# Altium PCB 2019.07.15.master.PcbDoc (part 3 of 7)
Units mm, origin at the board's own origin, x right, y up, seen from the top; angles counter-clockwise.
Board outline 160 x 120 mm, 6 copper layers (Top Signal, Top GND, Inner PWR, Inner Signal, Bottom GND, Bottom Signal), stack 1.571 mm thick; 408 components, 388 nets, 1700 pads, 1310 vias.
Unrouted connection lines stored in the file: 2.
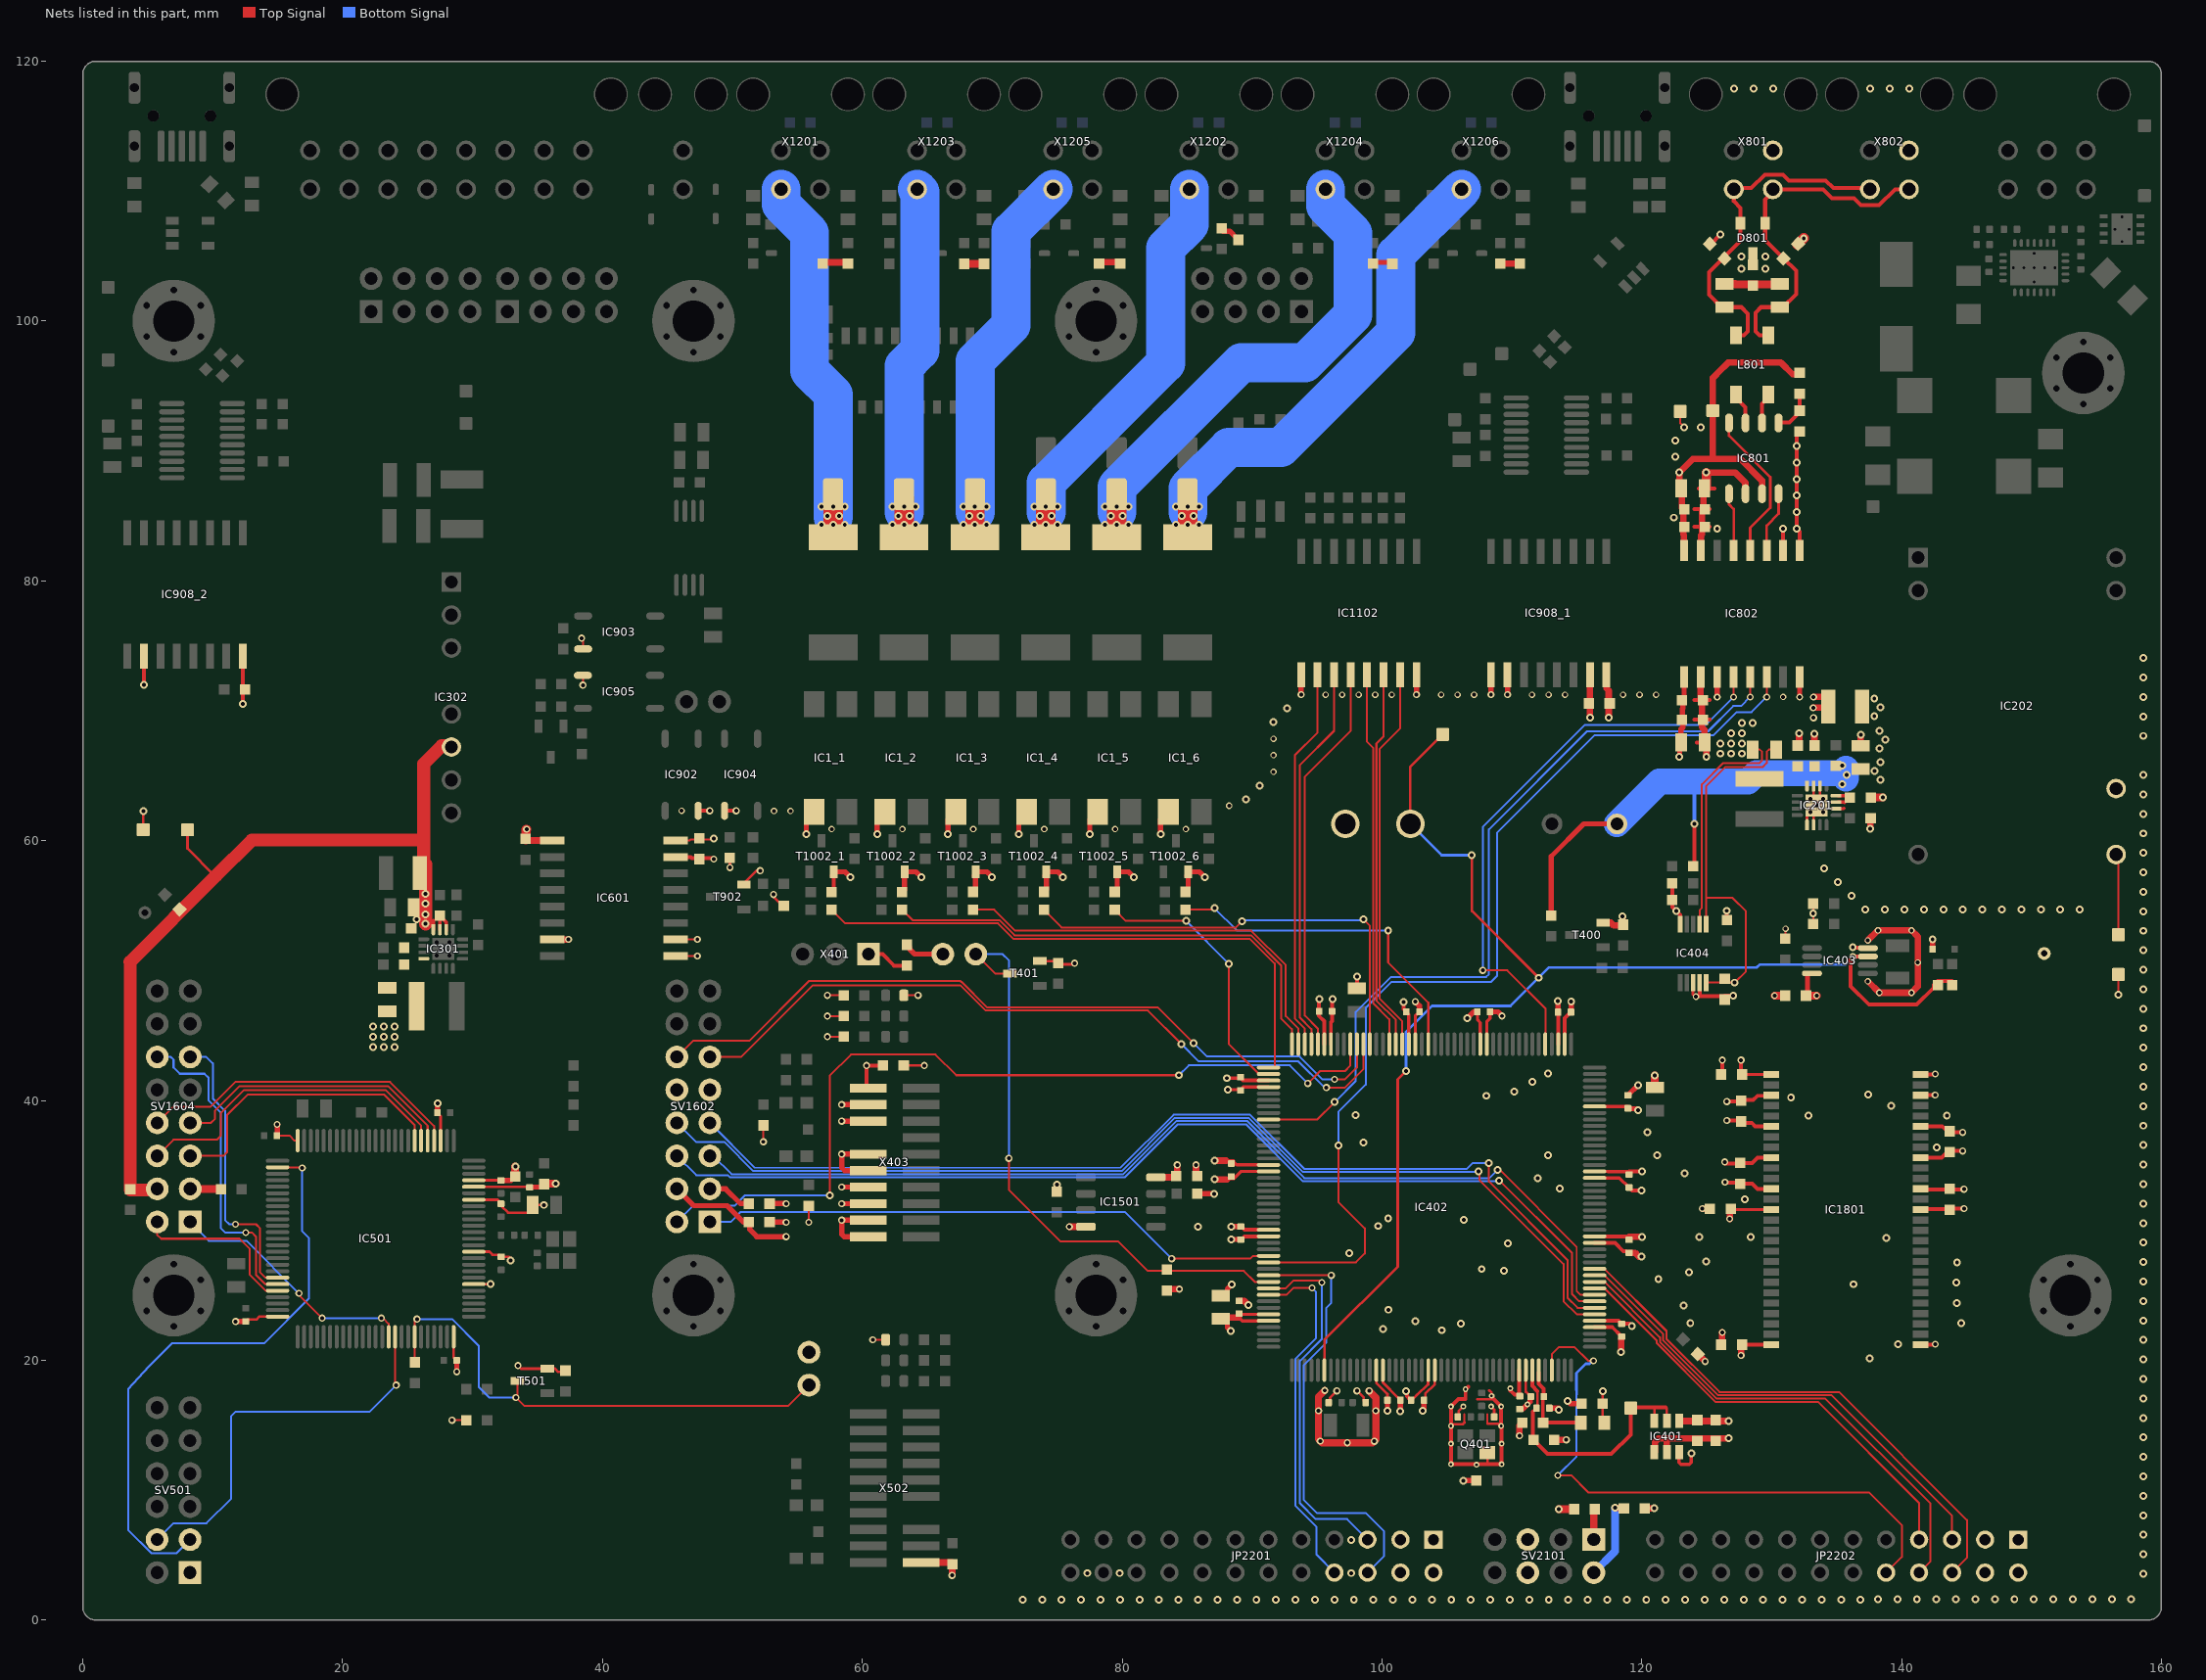
[diagram p7: the nets of this part, all layers, seen from the top]

## Via types
v1: diameter 0.6, hole 0.3, Top Signal to Bottom Signal, 988 vias
v2: diameter 0.55, hole 0.3, Top Signal to Bottom Signal, tented both sides, 231 vias
v3: diameter 0.5, hole 0.3, Top Signal to Bottom Signal, tented both sides, 42 vias
v4: diameter 0.45, hole 0.2, Top Signal to Bottom Signal, 31 vias
v5: diameter 0.55, hole 0.3, Top Signal to Bottom Signal, 12 vias
v6: diameter 0.6, hole 0.3, Top Signal to Bottom Signal, tented both sides, 5 vias
v7: diameter 0.5, hole 0.3, Top Signal to Bottom Signal, 1 vias

## Nets (pads, with @x,y where several pads share a name; then routed paths per layer and width w, separated by ;. In a path a pad name is that pad's centre, name@x,y a point inside that pad or via, vN(x,y) a via of type N, cw(c..) or ccw(c..) an arc to the next point about the centre after c; other vN are vias at no path point)
+3.3V_0: C401.1 C403.1 C404.1 C405.1 C406.1 C407.1 C408.1 C409.1 C410.1 C412.1 C413.1 C415.1 C416.1 C417.1 C418.1 C419.1 C420.1 C421.1 C430.1 C431.1 C435.1 C601.2 C805.2 C806.2 C808.1 C907_1.1 C1106.1 C1501.2 C1601.1 C1801.1 C1802.1 C1803.1 C1804.1 C1805.1 C1806.1 C1807.1 C2101.2 D400.1 IC1_1.1 IC1_2.1 IC1_3.1 IC1_4.1 IC1_5.1 IC1_6.1 IC401.3 IC401.4 IC402.15 IC402.23 IC402.36 IC402.49 IC402.62 IC402.72 IC402.82 IC402.91 IC402.103 IC402.114 IC402.127 IC402.136 IC402.149 IC402.159 IC402.171 IC402.172 IC403.8 IC404.2 IC601.10 IC601.16 IC802.1 IC902.4 IC904.1 IC908_1.10 IC908_1.16 IC1102.16 IC1501.8 IC1801.1 IC1801.3 IC1801.9 IC1801.14 IC1801.27 IC1801.43 IC1801.49 JP2201.2 JP2201.4 JP2202.2 JP2202.4 L401.1 LED201.2 R202.1 R402.2 R405.2 R410.2 R414.2 R415.2 R1501.2 R1502.2 SV1602.3 SV2101.2 T401.2 TPi3.3v0.1 X402.1 X403.1 | length 173.6
  Top Signal w0.15: IC404.2@124.475,53.583 124.475,54.676 124.626,54.828 124.626,64.327 126.263,65.964 129.057,65.964 129.261,66.167 129.261,66.835 129.083,67.013 R202.1@128.544,67.013 ; R410.2@131.041,52.447 131.071,52.478 v3(131.071,53.216) ; C431.1@132.646,48.061 C431.1@132.758,48.172 ; IC403.8@132.758,49.641 132.896,49.779 IC403.8@133.102,49.779 ; R415.2@133.205,53.573 133.207,53.576 R414.2@133.207,55.154 ; v1(156.693,48.133) TPi3.3v0.1@156.693,49.697
  Top Signal w0.152: IC601.10@45.628,52.392 v2(47.307,52.392) ; IC601.16@45.628,60.012 46.705,60.012 46.795,60.102 48.509,60.102 v1(48.578,60.17) ; v2(55.88,30.624) R405.2@55.88,31.838 ; LED201.2@63.25,48.086 v2(64.294,48.086)
  Top Signal w0.2: IC402.15@100.072,19.234 100.092,19.215 100.092,18.275 101.267,17.099 101.275,17.099 101.425,16.949 C409.1@101.425,16.924 C409.1@101.422,16.921 ; C410.1@103.333,16.835 103.333,17.409 104.072,18.148 IC402.23@104.072,19.234 ; C415.1@113.554,46.796 C415.1@113.572,46.778 ; v1@116.992,17.628 116.98,17.615 C404.1@116.98,16.662 116.98,15.1 L401.1@117.018,15.062
  Top Signal w0.203: T401.2@73.682,50.726 74.782,50.726 75.032,50.476 76.249,50.476 v2(76.342,50.569)
  Top Signal w0.25: 88.011,33.917 88.111,33.917 ; 88.111,33.809 88.299,33.997 88.604,33.997 89.141,34.534 IC402.149@91.273,34.534 ; v1(88.134,40.822) 89.125,40.822 89.337,41.034 IC402.136@91.273,41.034 ; 88.789,23.329 88.994,23.534 IC402.171@91.273,23.534 ; 88.99,23.28 89.236,23.034 IC402.172@91.273,23.034 ; C417.1@101.887,46.817 102.072,46.632 IC402.114@102.072,44.334 ; C416.1@107.225,46.739 107.362,46.602 107.362,46.202 107.573,45.992 IC402.103@107.573,44.334 ; IC402.72@116.372,34.534 117.374,34.534 117.387,34.521 C413.1@119.024,34.521 ; IC402.82@116.372,39.534 C406.1@118.941,39.534 ; IC401.3@122.879,12.932 122.879,12.132 123.025,11.985 123.66,11.985 123.806,12.132 123.806,12.799 v1(123.82,12.813) v1@123.834,12.827 ; C1803.1@126.788,31.596 126.796,31.596 IC1801.14@129.966,31.596 ; C1805.1@127.645,41.996 IC1801.1@129.966,41.996
  Top Signal w0.3: C421.1@89.138,29.291 89.163,29.291 89.406,29.534 IC402.159@91.273,29.534 ; v1@95.165,47.801 C418.1@95.165,46.865 95.165,46.502 95.572,46.094 IC402.127@95.572,44.334 ; v1@101.662,47.59 101.662,47.042 C417.1@101.887,46.817 ; v4(109.889,17.825) 109.889,17.67 110.211,17.348 110.499,17.348 C401.1@110.572,17.275 ; C401.1@110.572,17.221 C401.1@110.572,17.275 ; IC402.36@110.572,19.234 C401.1@110.572,17.275 ; C401.1@110.612,17.236 C401.1@110.572,17.275 ; IC402.91@113.572,44.334 C415.1@113.572,46.778 ; IC402.49@116.372,23.034 118.225,23.034 C405.1@118.452,22.807 119.066,22.807 v1(119.248,22.625) ; IC402.62@116.372,29.534 v1@120.017,29.534 ; C413.1@119.024,34.521 v1(120.017,34.521) ; v2(126.386,35.268) 126.386,35.186 126.437,35.135 C1802.1@127.481,35.135 ; v2(126.549,39.909) C1801.1@127.66,39.909 ; v2(126.771,30.886) v2@126.796,30.861 ; C1803.1@126.78,31.644 C1803.1@126.796,31.628 ; C1802.1@127.445,35.099 C1802.1@127.481,35.135 ; C1802.1@127.575,35.163 127.548,35.135 C1802.1@127.481,35.135 ; C1804.1@127.645,21.196 IC1801.27@129.966,21.196 ; C1805.1@127.645,41.996 v2(127.645,43.107) ; C1801.1@127.742,39.899 127.87,40.027 128.585,40.027 128.916,40.357 129.928,40.357 IC1801.3@129.966,40.396 ; IC1801.9@129.966,35.596 128.912,35.596 128.5,35.184 127.529,35.184 C1802.1@127.481,35.135 ; IC1801.43@141.466,33.196 141.507,33.155 143.442,33.155 C1806.1@143.482,33.196 ; IC1801.49@141.466,37.996 143.142,37.996 143.595,37.542 143.642,37.542 143.645,37.544 144.701,37.544 v2(144.704,37.542) ; C1806.1@143.711,33.114 143.736,33.139 144.781,33.139 v2(144.805,33.164)
  Top Signal w0.305: IC902.4@47.371,62.298 48.192,62.298 v2@48.26,62.23 ; IC904.1@49.403,62.298 v2(50.292,62.298) ; X403.1@60.465,40.943 60.325,41.082 v2(60.325,42.689) C430.1@61.589,42.689 C430.1@61.664,42.689
  Top Signal w0.4: v1(55.686,60.503) 55.686,61.62 IC1_1.1@56.286,62.22 ; v1(61.143,60.503) 61.143,61.62 IC1_2.1@61.743,62.22 ; C1106.1@63.449,51.981 63.649,51.781 63.649,51.645 64.033,51.261 X402.1@66.199,51.261 ; v1(66.599,60.503) 66.599,61.62 IC1_3.1@67.199,62.22 ; v1(72.055,60.503) 72.055,61.62 IC1_4.1@72.655,62.22 ; R1502.2@74.981,32.882 R1502.2@74.981,32.982 v1(74.981,33.534) ; v1(77.511,60.503) 77.511,61.62 IC1_5.1@78.111,62.22 ; v1(82.967,60.503) 82.967,61.62 IC1_6.1@83.567,62.22 ; R1501.2@85.69,32.812 R1501.2@85.79,32.812 v1(87.071,32.812) ; C435.1@87.605,23.179 87.855,23.179 88.105,22.929 88.105,22.509 v1(88.363,22.251) ; v1(88.404,29.291) C421.1@89.138,29.291 ; v1(101.422,16.078) C409.1@101.422,16.921 ; v2(102.667,71.234) IC1102.16@102.667,72.769 ; v1(103.142,16.121) 103.142,16.175 103.243,16.276 C410.1@103.243,16.916 ; v1(106.573,46.328) 107.061,46.817 C416.1@107.329,46.817 ; v2(109.666,71.234) IC908_1.10@109.666,72.769 ; C415.1@113.554,46.796 v1(113.554,47.659) ; C406.1@118.941,39.393 118.967,39.367 119.515,39.367 119.71,39.172 v1(119.71,39.243) ; v1(122.902,66.448) 122.927,66.473 122.927,67.564 123.029,67.666 123.029,68.58 123.176,68.728 123.176,69.304 123.129,69.352 123.129,70.141 123.176,70.188 C805.2@123.176,70.815 ; C805.2@123.266,71.059 IC802.1@123.266,72.593 ; C431.1@132.758,48.172 IC403.8@132.758,49.641 ; D400.1@142.388,51.647 v1(142.388,52.406)
  Top Signal w0.406: SV1602.3@48.27,33.19 49.487,33.19 50.624,32.053 C1601.1@51.22,32.053
  Top Signal w0.5: IC1501.8@82.61,34.082 C1501.2@84.246,34.082 ; C1501.2@84.246,34.167 v2(84.246,35.034) ; v1(87.114,33.917) 88.011,33.917 ; C435.1@87.383,23.28 88.99,23.28 ; IC908_1.16@117.286,72.769 117.286,71.717 117.463,71.54 v1(117.463,69.457) ; v1(117.935,8.631) 117.937,8.63 118.671,8.63 C2101.2@118.704,8.597 ; C412.1@119.024,29.495 v1(120.017,29.495) ; IC401.4@122.879,15.332 122.89,15.32 v1(126.676,15.32) ; v2@126.796,30.861 126.796,31.596 C1803.1@126.796,31.628 ; v2(127.645,20.36) C1804.1@127.645,21.196
  Top Signal w0.6: C431.1@132.646,48.061 v3(133.463,48.061)
  Bottom Signal w0.5: v1@117.935,8.593 117.955,8.612 v1(117.935,8.631)
  Bottom Signal w0.61: SV2101.2@116.31,3.16 SV2101.2@116.31,3.65 116.31,3.656 117.935,5.281 v1@117.935,8.593
  other v1: 116.992,17.602 101.662,47.59 95.171,47.801 133.193,54.391 126.056,66.7 126.881,66.7 127.707,66.7 126.056,67.488 126.881,67.488 127.707,67.488 126.881,68.275 127.707,68.275 127.707,69.063 128.532,69.063
  other v2: 48.26,62.298
+3.3V_0_IN: C205.1 C206.1 C432.1 IC201.16 IC404.1 IC404.10 L201.2 R202.2 | length 29.4
  Top Signal w0.15: IC404.10@124.962,49.065 126.39,49.065 v1(127.143,49.065) 128.023,49.945 128.023,54.553 126.975,55.601 125,55.601 124.975,55.626 ; IC404.1@124.975,53.583 124.975,55.626 ; R202.2@130.344,67.263 R202.2@130.344,67.013 129.791,67.013 129.616,66.838 129.616,65.983 129.292,65.659 126.424,65.659 124.975,64.21 124.975,55.626
+3.3V_1: C502.1 C503.1 C504.1 C506.1 C507.1 C508.1 C513.1 C519.1 C520.1 C521.1 C522.1 C523.1 C602.1 C907_2.1 C1603.1 IC501.6 IC501.11 IC501.19 IC501.21 IC501.22 IC501.28 IC501.50 IC501.75 IC501.100 IC601.1 IC601.7 IC903.4 IC905.1 IC908_2.10 IC908_2.16 LED301.2 R302.1 R504.2 R505.2 SV501.1 SV1604.3 T501.2 TP_V3.3_1.1 X501.1 X502.1 | length 58
  Top Signal w0.152: v2(14.961,38.157) v2@15.149,38.157 ; C503.1@14.964,37.291 15.903,37.291 16.291,36.904 IC501.50@16.543,36.904 ; v2(28.416,15.384) R505.2@29.471,15.384 ; v2(38.397,75.585) 38.511,75.471 IC903.4@38.511,74.758 ; v2(38.494,71.974) 38.497,71.978 IC905.1@38.497,72.722 ; v2(60.801,21.575) LED301.2@61.75,21.575
  Top Signal w0.2: TP_V3.3_1.1@4.65,60.833 v1(4.65,62.255) ; C507.1@12.622,22.979 12.622,23.085 12.672,23.135 13.355,23.135 13.574,23.354 IC501.75@14.993,23.354 ; C506.1@27.287,39.062 27.287,39.037 27.542,38.782 IC501.28@27.542,36.904 ; IC501.6@30.092,25.854 31.358,25.854 v1@31.38,25.832 ; IC501.11@30.092,28.354 31.3,28.354 31.531,28.122 32.041,28.122 C504.1@32.206,27.957 32.791,27.957 v1@32.944,27.805 ; IC501.19@30.092,32.354 31.933,32.354 32.226,32.06 32.226,31.875 32.747,31.354 34.447,31.354 34.635,31.541 C519.1@34.635,31.953 ; IC501.21@30.092,33.354 C520.1@34.42,33.354 ; IC501.22@30.092,33.854 32.175,33.854 C522.1@32.186,33.843 ; v1(31.377,25.854) v1@31.383,25.854 ; v1(32.944,27.686) v1@32.944,27.805 ; v1@32.944,27.88 v1@32.944,27.805 ; C521.1@32.975,33.843 C521.1@33.284,34.152 ; v1@33.056,27.717 33.031,27.717 v1@32.944,27.805 ; v1@33.284,34.9 v1(33.296,34.912) v1@33.309,34.925 ; C519.1@34.635,31.979 C519.1@34.635,31.953 ; C523.1@35.238,33.333 C523.1@35.484,33.579 ; v1@35.509,31.953 v1(35.494,31.953) C519.1@34.635,31.953
  Top Signal w0.203: IC501.100@28.542,21.804 28.542,20.226 C508.1@28.781,19.988 ; v2(33.496,19.591) 33.737,19.35 T501.2@35.758,19.35 36.346,19.35 36.596,19.1 R504.2@37.148,19.1
  Top Signal w0.3: v1(4.699,71.999) IC908_2.10@4.699,74.193 ; v1(12.319,70.51) IC908_2.16@12.319,74.193
  Top Signal w0.4: v2@11.762,22.979 C507.1@12.622,22.979 ; C503.1@14.964,37.291 v2@14.964,38.154 ; C506.1@27.287,39.062 27.287,39.771 v1(27.303,39.787) ; v2(28.781,19.111) C508.1@28.781,19.988 ; C522.1@32.186,33.843 C521.1@32.975,33.843 ; C520.1@34.392,33.333 C523.1@35.238,33.333
  Top Signal w0.5: C602.1@34.087,60.059 34.135,60.012 IC601.1@36.128,60.012 ; IC601.7@36.128,52.392 v2(37.389,52.392) ; X502.1@65.115,4.43 65.124,4.421 66.914,4.421 66.954,4.38 66.92,4.345 66.92,3.437 v2(66.911,3.428)
  Top Signal w0.6: C521.1@33.284,34.152 v1@33.284,34.9 ; C523.1@35.484,33.579 v1(36.384,33.579)
  Top Signal w0.61: SV1604.3@8.27,33.19 8.296,33.164 C1603.1@10.63,33.164 C1603.1@10.705,33.164
  Top Signal w0.7: C602.1@34.087,60.059 34.098,60.059 34.123,60.084 34.123,60.849 v2(34.158,60.884)
  other v1: 22.339,44.12 23.165,44.12 23.99,44.12 22.339,44.907 23.165,44.907 23.99,44.907 22.339,45.695 23.165,45.695 23.99,45.695
  other v2: 11.761,22.98
+3.3V_1_IN: C305.1 C306.1 IC301.16 L301.2 R302.2
+5.0V_0: C210.1 C213.1 C214.2 C1602.1 C2102.1 IC201.10 IC201.11 IC201.12 IC202.14 LS401.1 R204.2 R400.2 R416.2 SV1602.4 SV2101.1 TPi5.0v0.1 | length 68.9
  Top Signal w0.15: TPi5.0v0.1@156.693,52.759 IC202.14@156.693,58.75
  Top Signal w0.2: IC202.14@156.515,58.928 IC202.14@156.693,58.75
  Top Signal w0.25: IC201.10@135.096,62.463 135.099,62.465 135.539,62.465 135.571,62.496 ; IC201.11@135.096,62.963 135.571,62.963 135.611,62.923 ; IC201.12@135.096,63.463 135.611,63.463
  Top Signal w0.3: v1@124.031,61.29 124.046,61.276 R400.2@124.046,58.138
  Top Signal w0.4: R416.2@113.031,54.13 113.031,58.788 115.533,61.29 LS401.1@118.096,61.29
  Top Signal w0.406: SV1602.4@45.73,33.19 47.026,31.894 49.597,31.894 50.867,30.624 51.345,30.624 51.345,30.047 51.88,29.513 v2(54.134,29.513)
  Top Signal w0.6: SV2101.1@116.31,6.19 C2102.1@116.31,8.418
  Bottom Signal w0.3: v1(124.038,61.283) 124.038,64.139 125.278,65.378 135.842,65.378
  Bottom Signal w2: LS401.1@118.096,61.29 121.35,64.544 128.18,64.544 128.811,65.176 135.275,65.176 ; v1@135.71,64.798 135.71,65.549
  other v1: 135.433,64.338 138.373,64.681 135.788,65.058 137.918,65.354 135.433,65.786 138.373,66.027 138.304,67.107 138.759,67.78 138.304,68.453 137.903,69.584 138.359,70.256 137.903,70.929
+5.0V_1: C303.2 C304.1 C310.1 C313.1 C1604.1 IC301.10 IC301.11 IC301.12 IC302.6 R304.2 SV1604.4 TP_V5.0_1.1 | length 69.4
  Top Signal w0.2: TP_V5.0_1.1@8.059,60.833 8.059,59.399 10.143,57.315 10.274,57.315 ; 26.983,53.827 26.985,53.825 ; C313.1@27.483,54.216 C313.1@27.485,54.215
  Top Signal w0.275: IC301.12@26.985,53.131 IC301.12@26.985,53.281 26.985,53.825 ; IC301.11@27.485,53.131 IC301.11@27.485,53.281 27.485,54.215 27.985,53.715 IC301.10@27.985,53.281 IC301.10@27.985,53.131 IC301.10@27.985,53.056
  Top Signal w1: 3.632,50.673 3.651,50.692 ; C1604.1@3.651,33.095 5.575,33.095 5.7,33.22 SV1604.4@5.73,33.19 ; C1604.1@3.651,33.22 3.651,50.692 ; C303.2@26.243,57.607 26.243,60.046 ; IC302.6@28.4,67.3 28.4,67.295 27.62,67.295 26.243,65.918 26.243,60.046 ; 3.651,50.692 10.274,57.315 13.005,60.046 26.243,60.046
  Top Signal w1.016: v1(26.385,53.602) v1(26.385,54.327) v1(26.385,55.143) v1(26.385,55.912) C303.2@26.385,58.171
  other v1: 25.703,53.929
+Vbat_0: BT400.1 IC402.6 IC403.3 R411.2 R413.2 TPvBat0.1 | length 103.4
  Top Signal w0.2: IC402.6@95.572,19.234 95.572,21.557 101.219,27.203 101.219,41.626 v1(101.854,42.261) ; BT400.1@102.19,61.29 102.19,65.691 TPvBat0.1@104.678,68.18 ; v1@106.938,58.876 106.938,54.567 v1(112.065,49.44)
  Top Signal w0.3: IC403.3@137.401,51.079 136.296,51.079 136.064,50.847 136.064,48.797 137.49,47.371 141.173,47.371 142.463,48.661 142.463,48.882 142.767,49.185 143.863,49.185 R413.2@143.891,49.157
  Bottom Signal w0.2: v1(101.854,42.261) 101.854,45.278 103.849,47.274 109.896,47.274 112.863,50.241 128.859,50.241 129.088,50.47 135.687,50.47 136.246,51.029 v1(136.246,51.054) ; BT400.1@102.19,61.29 104.603,58.877 v1(106.917,58.877)
+Vdda_0: C411.1 C424.1 IC402.39 L401.2 | length 7.2
  Top Signal w0.152: IC402.39@112.073,19.03 IC402.39@112.076,19.034
  Top Signal w0.2: IC402.39@112.073,19.03 IC402.39@112.073,19.234 ; C424.1@112.37,15.215 C424.1@112.395,15.24 ; C411.1@112.395,17.128 C411.1@112.446,17.178 ; C411.1@112.446,17.17 C411.1@112.446,17.178 ; C411.1@112.463,17.196 C411.1@112.446,17.178 ; L401.2@115.305,15.189 L401.2@115.316,15.189
  Top Signal w0.25: C424.1@112.395,15.24 C411.1@112.395,17.128
  Top Signal w0.3: IC402.39@112.073,19.03 112.073,18.179 112.446,17.805 C411.1@112.446,17.178 ; C424.1@112.408,15.189 L401.2@115.305,15.189
+Vref_0: C422.1 C423.1 IC401.5 IC401.6 IC402.38 TPvRef0.1 | length 21.1
  Top Signal w0.2: C422.1@111.725,16.132 111.745,16.132 111.895,16.282 C422.1@111.895,16.307 ; C422.1@111.963,16.332 111.963,17.628 ; 120.953,16.383 120.979,16.358 ; IC401.6@120.979,15.332 120.979,16.358 ; 120.979,16.383 120.979,16.358 ; 120.98,16.358 120.979,16.358 ; 121.844,16.383 121.929,16.298 IC401.5@121.929,15.332
  Top Signal w0.25: 111.608,16.015 C422.1@111.725,16.132
  Top Signal w0.3: IC402.38@111.572,19.234 111.572,18.018 111.963,17.628 ; C423.1@111.608,13.868 111.608,16.015 ; C423.1@111.671,13.868 112.763,12.776 117.653,12.776 119.151,14.275 TPvRef0.1@119.151,16.317 ; TPvRef0.1@119.156,16.383 120.953,16.383 ; 120.979,16.383 121.844,16.383
ADC_MCU_0_CH_0: IC402.54 JP2202.7 | length 34.8
  Top Signal w0.152: IC402.54@116.372,25.534 117.122,25.534 121.153,21.503 121.153,21.313 125.669,16.796 133.572,16.796 141.352,9.016 JP2202.7@141.352,6.19
ADC_MCU_0_CH_1: IC402.55 JP2202.8 | length 38.8
  Top Signal w0.15: IC402.55@116.372,26.034 117.122,26.034 121.404,21.752 121.404,21.417 125.773,17.047 134.133,17.047 142.227,8.954 142.227,4.525 JP2202.8@141.352,3.65
ADC_MCU_0_CH_2: IC402.56 JP2202.5 | length 37.3
  Top Signal w0.15: IC402.56@116.372,26.534 117.122,26.534 121.654,22.002 121.654,21.52 125.877,17.297 134.614,17.297 143.892,8.02 143.892,6.298 JP2202.5@144,6.19
ADC_MCU_0_CH_3: IC402.57 JP2202.6 | length 41.6
  Top Signal w0.15: IC402.57@116.372,27.034 117.122,27.034 121.904,22.252 121.904,21.624 125.981,17.547 135.183,17.547 145.034,7.696 145.034,4.792 JP2202.6@143.892,3.65
ADC_MCU_0_CH_4: IC402.41 JP2202.10 | length 47.5
  Top Signal w0.152: IC402.41@113.073,19.234 113.073,20.473 113.598,20.999 114.837,20.999 115.887,19.95 v5(116.276,19.95) ; v2(113.543,11.137) 114.567,11.137 115.875,9.83 137.49,9.83 140.017,7.302 140.017,4.856 JP2202.10@138.812,3.65 JP2202.10@138.81,3.648
  Bottom Signal w0.152: v2@113.538,11.137 114.981,12.581 114.981,17.37
  Bottom Signal w0.2: 114.981,17.37 114.981,17.707 114.969,17.719 114.969,19.008 115.69,19.73 115.984,19.73 116.204,19.95 v5(116.276,19.95)
BMS-INTERFACE_0_GPIO_0: IC402.121 SV1602.11 | length 58.6
  Top Signal w0.152: SV1602.11@48.27,43.35 50.667,43.35 56.187,48.87 67.543,48.87 69.489,46.924 81.981,46.924 v1(84.571,44.334) ; v2(95.726,40.991) 97.155,40.991 98.573,42.409 IC402.121@98.573,44.534
  Bottom Signal w0.152: v1(84.571,44.334) 85.874,43.031 93.528,43.031 95.567,40.991 v2(95.726,40.991)
BMS-INTERFACE_0_GPIO_1: IC402.122 SV1602.12 | length 60.3
  Top Signal w0.152: SV1602.12@45.73,43.35 46.974,44.594 51.313,44.594 55.919,49.2 67.531,49.2 67.609,49.122 67.647,49.122 69.593,47.176 82.725,47.176 v1(85.505,44.396) ; v2(96.361,41.626) 97.155,41.626 98.072,42.544 IC402.122@98.072,44.534
  Bottom Signal w0.152: v1(85.505,44.396) 86.527,43.374 93.661,43.374 95.409,41.626 v2(96.361,41.626)
BMS-INTERFACE_0_GPIO_2: IC402.123 SV1602.2 | length 66.5
  Top Signal w0.152: v1(57.489,32.688) 57.489,41.893 59.131,43.536 65.634,43.536 67.229,41.94 v1(84.368,41.94) ; v2(94.297,41.309) 95.25,42.261 97.155,42.261 97.573,42.679 IC402.123@97.573,44.534
  Bottom Signal w0.152: SV1602.2@45.73,30.65 46.974,31.894 50.165,31.894 50.959,32.688 v1(57.489,32.688) ; v1@84.374,41.94 85.13,42.697 92.91,42.697 v2(94.297,41.309)
BMS-INTERFACE_0_GPIO_3: IC402.162 SV1602.1 | length 44.7
  Top Signal w0.152: v2(83.821,27.815) 89.861,27.815 90.079,28.034 IC402.162@91.072,28.034
  Bottom Signal w0.152: SV1602.1@48.27,30.65 49.874,30.65 50.641,31.418 80.218,31.418 83.82,27.815 v2(83.821,27.815)
BMS-INTERFACE_0_SPI_CS: IC402.50 SV1602.8 | length 82.3
  Top Signal w0.15: v1(107.445,34.521) 107.362,34.521 107.495,34.388 107.495,33.893 113.987,27.4 113.987,24.537 114.991,23.534 IC402.50@116.372,23.534
  Bottom Signal w0.15: SV1602.8@45.73,38.27 47.22,36.78 49.406,36.78 51.618,34.568 79.981,34.568 84.065,38.652 89.751,38.652 93.914,34.489 107.414,34.489 v1(107.445,34.521)
BMS-INTERFACE_0_SPI_MISO: IC402.52 SV1602.6 | length 80.6
  Top Signal w0.15: v1(109.015,33.809) 109.015,33.873 114.634,28.254 114.634,25.084 115.184,24.534 IC402.52@116.372,24.534
  Bottom Signal w0.15: SV1602.6@45.73,35.73 47.22,34.24 49.656,34.24 49.827,34.068 80.189,34.068 84.272,38.152 89.544,38.152 93.927,33.769 108.975,33.769 v1(109.015,33.809)
BMS-INTERFACE_0_SPI_MOSI: IC402.53 SV1602.5 | length 78.6
  Top Signal w0.15: v1(108.915,34.653) 108.915,34.791 109.053,34.653 109.063,34.653 114.991,28.725 114.991,25.337 115.293,25.034 IC402.53@116.372,25.034
  Bottom Signal w0.15: SV1602.5@48.27,35.73 48.519,35.73 49.931,34.318 80.085,34.318 84.169,38.402 89.648,38.402 94.031,34.019 108.281,34.019 v1(108.915,34.653)
BMS-INTERFACE_0_SPI_SCK: IC402.51 SV1602.7 | length 80.7
  Top Signal w0.15: v1(108.236,35.163) 108.236,35.375 108.238,35.376 108.238,33.747 114.293,27.692 114.293,24.799 115.058,24.034 IC402.51@116.372,24.034
  Bottom Signal w0.15: SV1602.7@48.27,38.27 51.722,34.818 79.878,34.818 83.962,38.902 89.855,38.902 94.017,34.739 106.544,34.739 106.968,35.163 v1(108.236,35.163)
BMS-INTERFACE_1_GPIO_0: IC501.69 SV1604.11 | length 22.1
  Top Signal w0.152: v2(11.747,30.465) 13.335,30.465 13.652,30.148 13.652,26.759 14.058,26.354 IC501.69@14.792,26.354
  Bottom Signal w0.152: SV1604.11@8.27,43.35 9.499,43.35 10.001,42.848 10.001,40.149 10.954,39.196 10.954,30.783 11.271,30.465 v2(11.747,30.465)
BMS-INTERFACE_1_GPIO_1: IC501.70 SV1604.12 | length 24.6
  Top Signal w0.152: v2(12.541,29.83) 13.018,29.83 13.335,29.513 13.335,26.568 14.05,25.854 IC501.70@14.792,25.854